# Altium PCB PCB_2_LAYER.PcbDoc (part 1 of 2)
Units mm, origin at the board's own origin, x right, y up, seen from the top; angles counter-clockwise.
Board outline 124.97 x 105.28 mm, 2 copper layers (Top Layer, Bottom Layer); 125 components, 113 nets, 460 pads, 197 vias.
Unrouted connection lines stored in the file: 136.
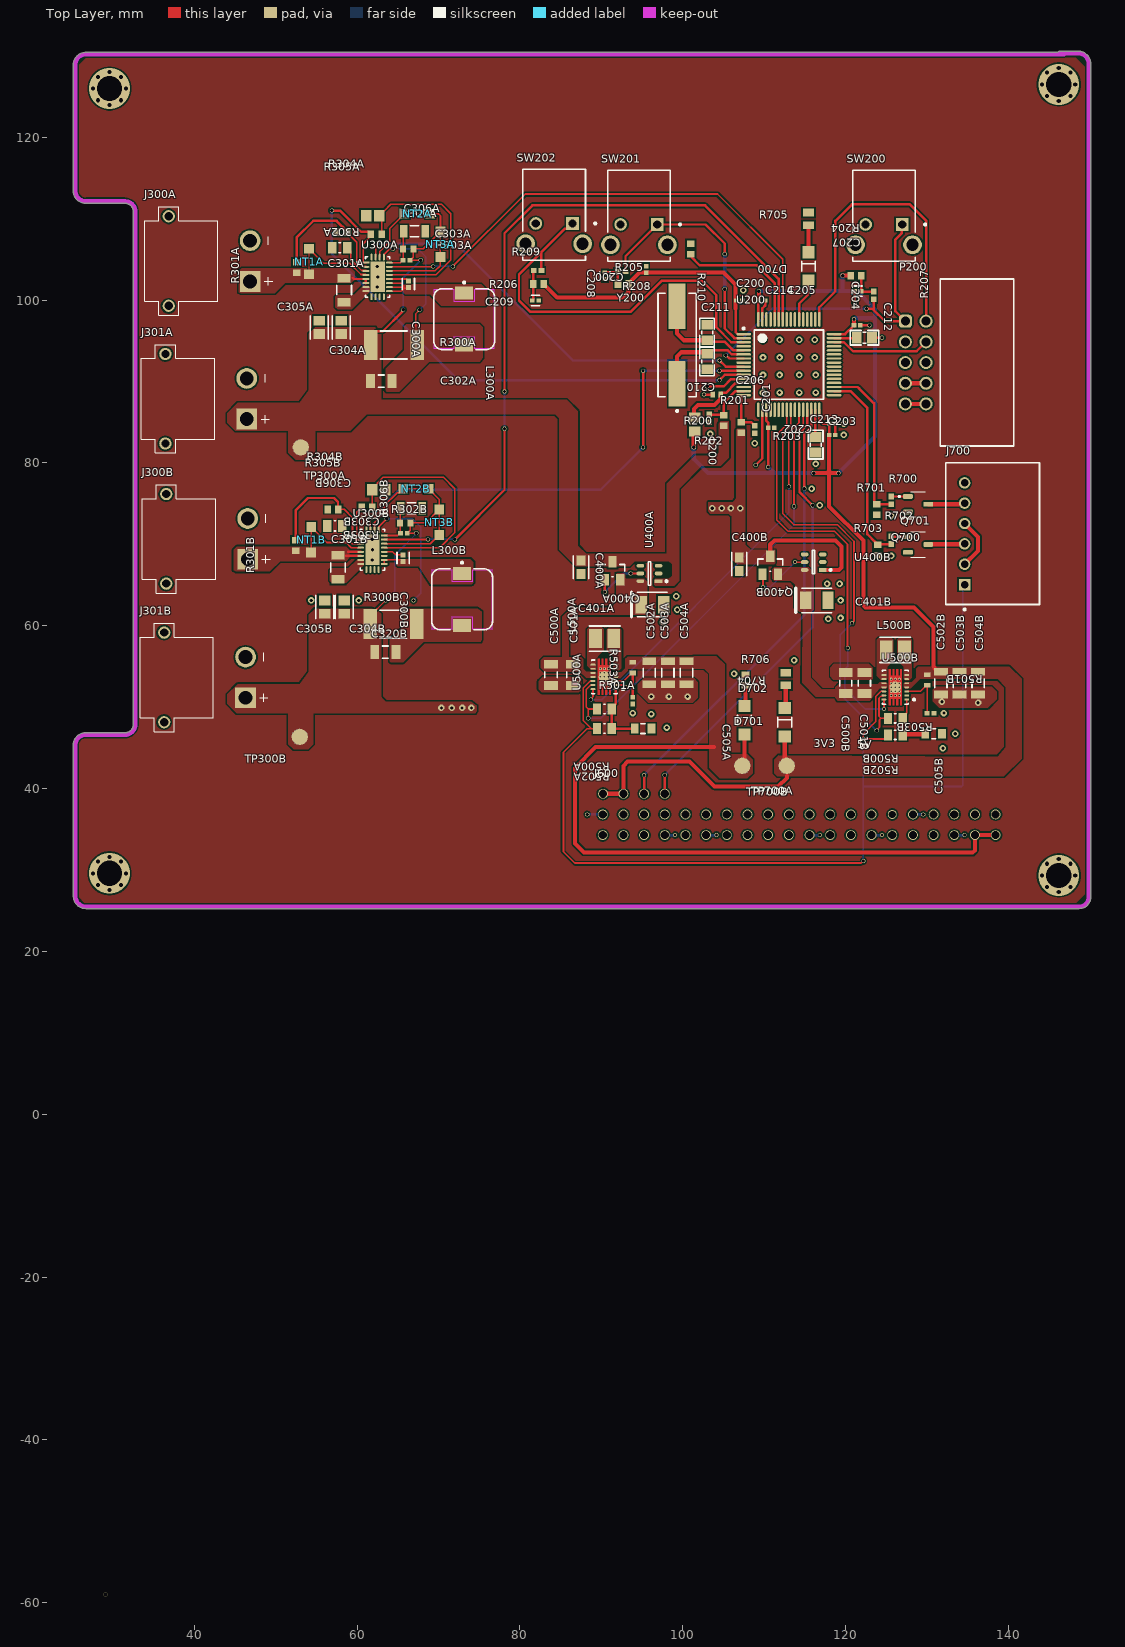
[diagram p0: Top Layer view]
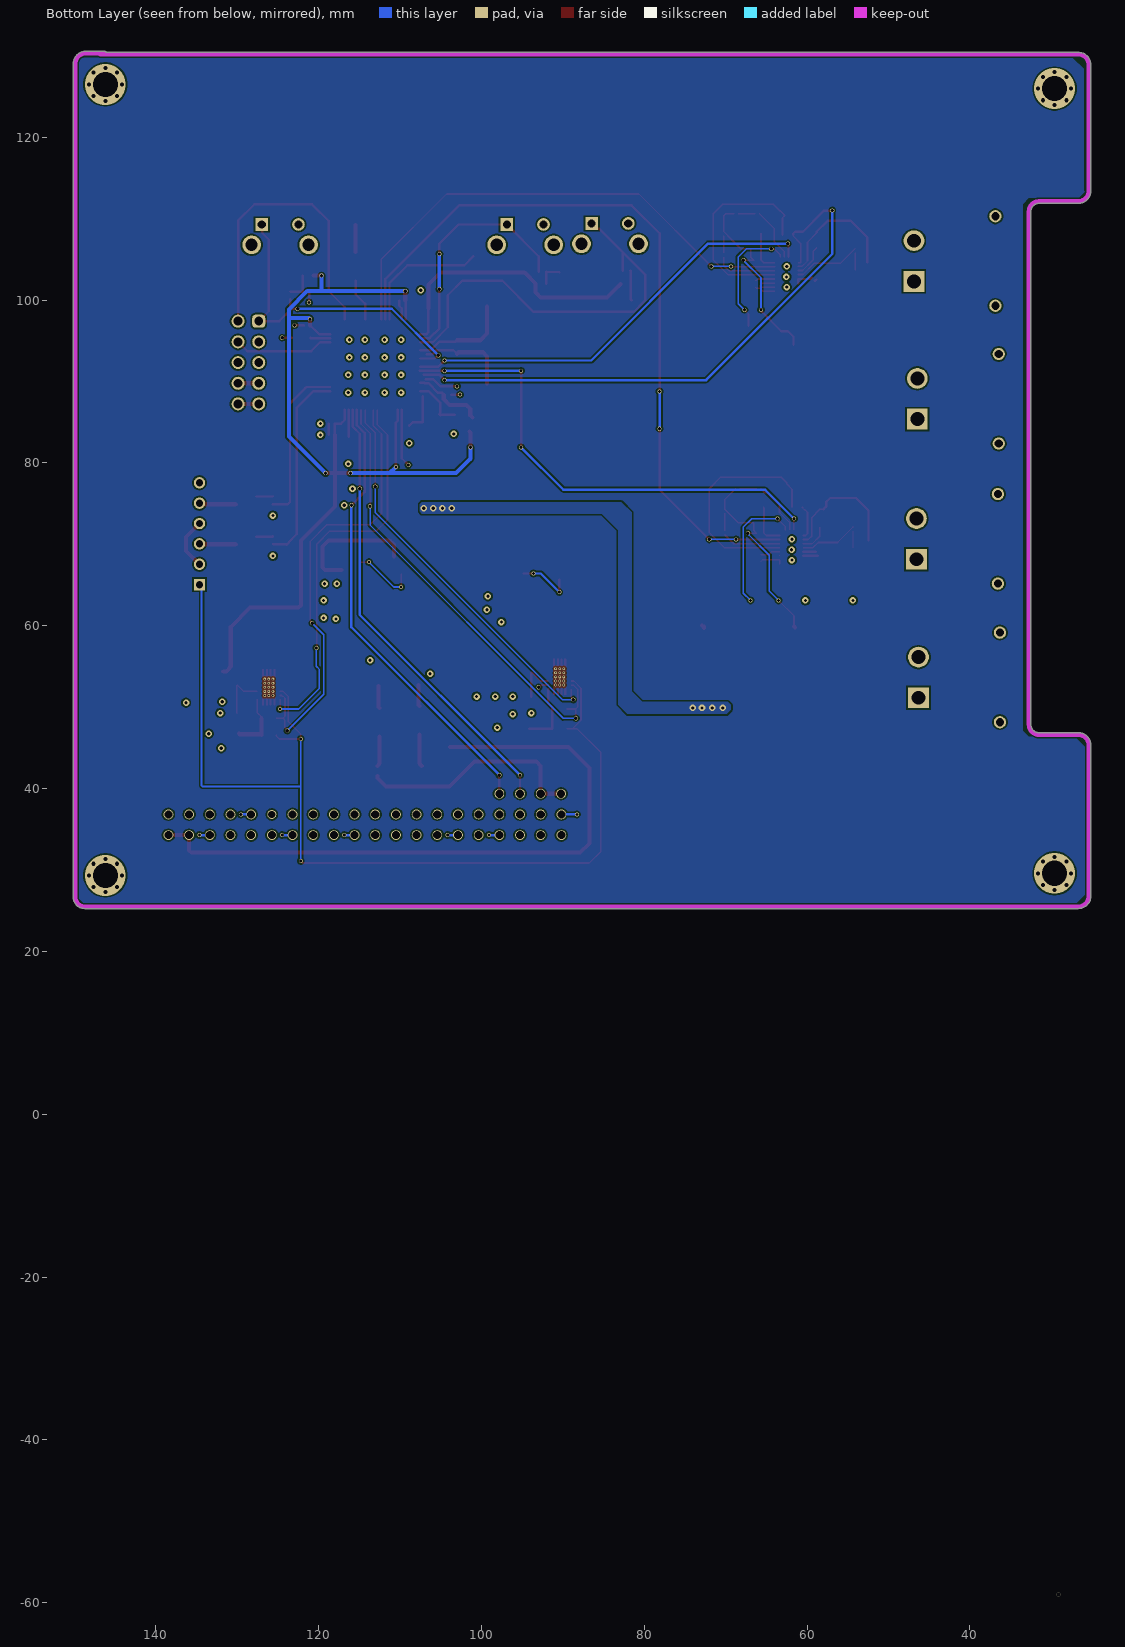
[diagram p1: Bottom Layer view, seen from below]
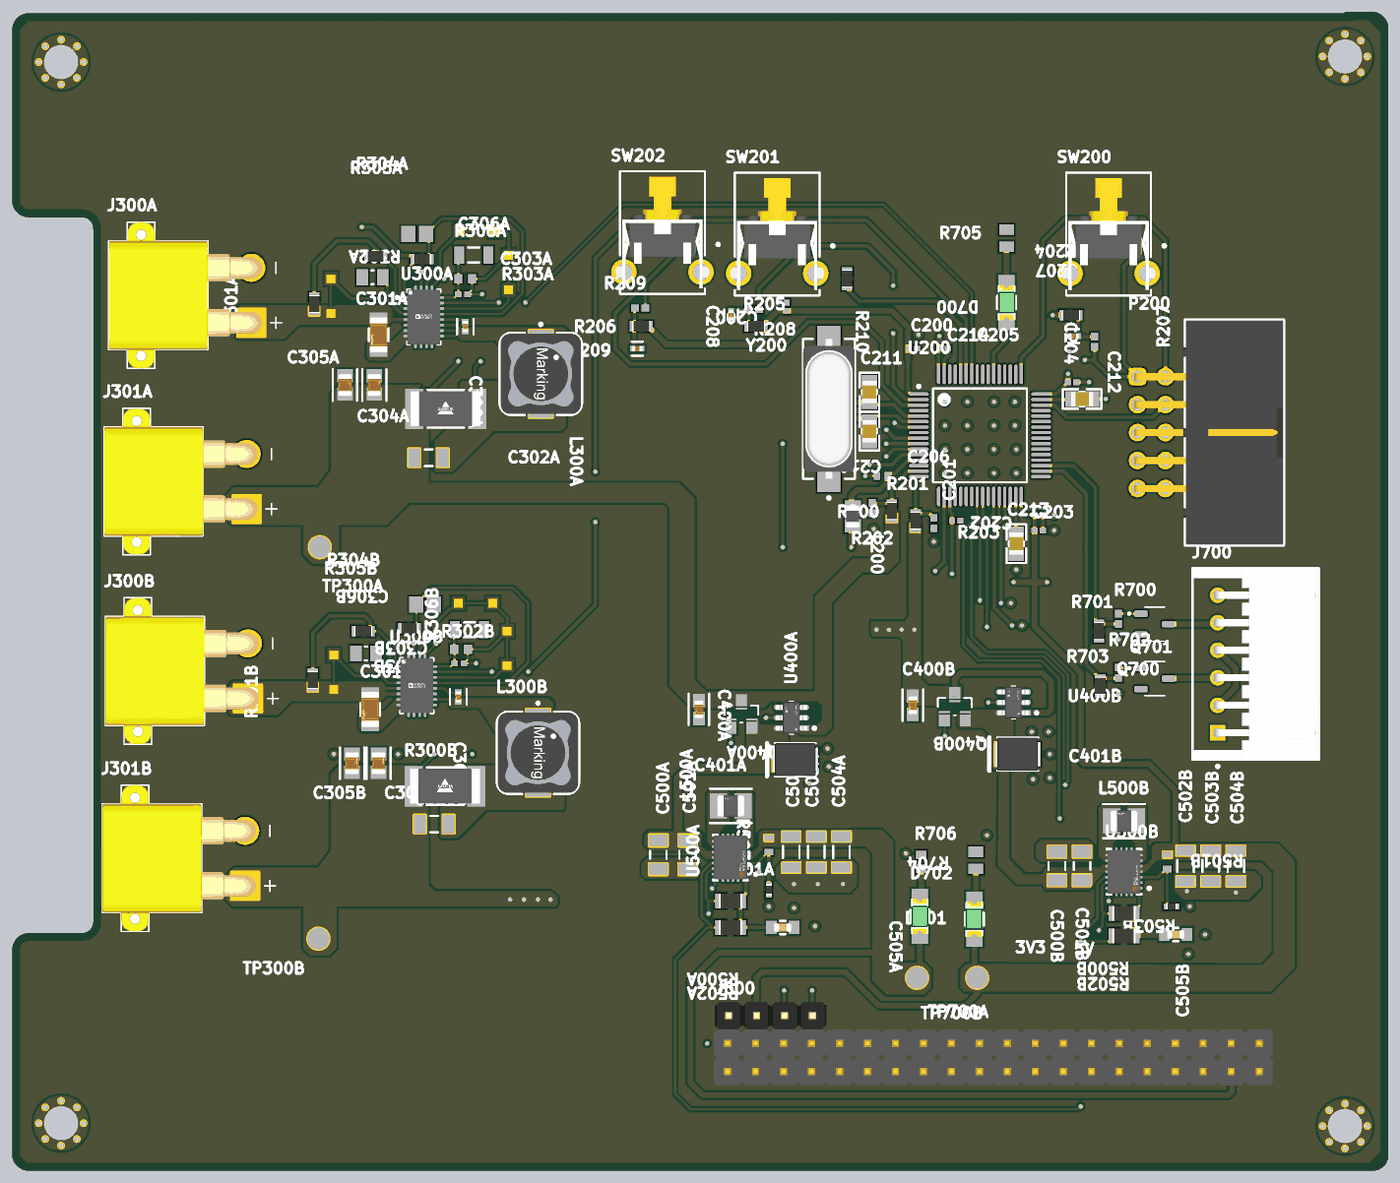
[diagram p3: 3D render of the assembled board from above, using the file's embedded part models]

## Layer stack, top to bottom
Top Solder: solder mask 0.0102, Solder Resist, Dk 3.5
Top Layer: signal copper 0.0356
Dielectric 1: core 0.32, FR-4, Dk 4.8
Bottom Layer: signal copper 0.0356
Bottom Solder: solder mask 0.0102, Solder Resist, Dk 3.5

## Board outline
26.668,25.273 cw(c26.67,26.797) 25.146,26.797 25.146,45.339 cw(c26.67,45.339) 26.67,46.863 31.496,46.863 ccw(c31.496,47.879) 32.512,47.879 32.512,110.871 ccw(c31.496,110.871) 31.496,111.887 26.67,111.887 cw(c26.67,113.411) 25.146,113.411 25.146,128.905 cw(c26.67,128.905) 26.67,130.429 146.084,130.429 cw(c146.304,130.302) 146.304,130.556 148.59,130.556 cw(c148.59,129.032) 150.114,129.032 150.114,26.67 cw(c148.717,26.67) 148.717,25.273 148.59,25.273

## Design rules (kind name [scope] priority, off if disabled: settings)
Clearance [All] p1: gap=0.2 ignorepadtopadclearanceinfootprint=FALSE
PolygonConnect PolygonConnect_23 [All vs IsNamedPolygon('V DIODE2')] p1: connectstyle=Direct reliefconductorwidth=0.254 reliefentries=4 polygonreliefangle="90 Angle" airgapwidth=0.254
PolygonConnect PolygonConnect_22 [All vs IsNamedPolygon('ISP B')] p2: connectstyle=Direct reliefconductorwidth=0.254 reliefentries=4 polygonreliefangle="90 Angle" airgapwidth=0.254
PolygonConnect PolygonConnect_21 [All vs IsNamedPolygon('VSOLARB')] p3: connectstyle=Direct reliefconductorwidth=0.254 reliefentries=4 polygonreliefangle="90 Angle" airgapwidth=0.254
PolygonConnect PolygonConnect_20 [All vs IsNamedPolygon('VSOLARB')] p4: connectstyle=Direct reliefconductorwidth=0.254 reliefentries=4 polygonreliefangle="90 Angle" airgapwidth=0.254
PolygonConnect PolygonConnect_19 [All vs IsNamedPolygon('ISPA')] p5: connectstyle=Direct reliefconductorwidth=0.254 reliefentries=4 polygonreliefangle="90 Angle" airgapwidth=0.254
PolygonConnect PolygonConnect_18 [All vs IsNamedPolygon('VBAT2')] p6: connectstyle=Direct reliefconductorwidth=0.254 reliefentries=4 polygonreliefangle="90 Angle" airgapwidth=0.254
PolygonConnect PolygonConnect_17 [All vs IsNamedPolygon('VBAT2')] p7: connectstyle=Direct reliefconductorwidth=0.254 reliefentries=4 polygonreliefangle="90 Angle" airgapwidth=0.254
PolygonConnect PolygonConnect_16 [All vs IsNamedPolygon('VBAT2')] p8: connectstyle=Direct reliefconductorwidth=0.254 reliefentries=4 polygonreliefangle="90 Angle" airgapwidth=0.254
PolygonConnect PolygonConnect_15 [All vs IsNamedPolygon('VBAT2')] p9: connectstyle=Direct reliefconductorwidth=0.254 reliefentries=4 polygonreliefangle="90 Angle" airgapwidth=0.254
PolygonConnect PolygonConnect_14 [All vs IsNamedPolygon('VBAT1')] p10: connectstyle=Direct reliefconductorwidth=0.254 reliefentries=4 polygonreliefangle="90 Angle" airgapwidth=0.254
PolygonConnect PolygonConnect_13 [All vs IsNamedPolygon('5V')] p11: connectstyle=Direct reliefconductorwidth=0.254 reliefentries=4 polygonreliefangle="90 Angle" airgapwidth=0.254
PolygonConnect PolygonConnect_12 [All vs IsNamedPolygon('3.3V')] p12: connectstyle=Direct reliefconductorwidth=0.254 reliefentries=4 polygonreliefangle="90 Angle" airgapwidth=0.254
PolygonConnect PolygonConnect_11 [All vs IsNamedPolygon('ISP B')] p13: connectstyle=Direct reliefconductorwidth=0.254 reliefentries=4 polygonreliefangle="90 Angle" airgapwidth=0.254
PolygonConnect PolygonConnect_10 [All vs IsNamedPolygon('ISPB')] p14: connectstyle=Direct reliefconductorwidth=0.254 reliefentries=4 polygonreliefangle="90 Angle" airgapwidth=0.254
PolygonConnect PolygonConnect_9 [All vs IsNamedPolygon('V DIODE1')] p15: connectstyle=Direct reliefconductorwidth=0.254 reliefentries=4 polygonreliefangle="90 Angle" airgapwidth=0.254
PolygonConnect PolygonConnect_8 [All vs IsNamedPolygon('VBAT1')] p16: connectstyle=Direct reliefconductorwidth=0.254 reliefentries=4 polygonreliefangle="90 Angle" airgapwidth=0.254
PolygonConnect PolygonConnect_7 [All vs IsNamedPolygon('VBAT1')] p17: connectstyle=Direct reliefconductorwidth=0.254 reliefentries=4 polygonreliefangle="90 Angle" airgapwidth=0.254
PolygonConnect PolygonConnect_6 [All vs IsNamedPolygon('VBATA')] p18: connectstyle=Direct reliefconductorwidth=0.254 reliefentries=4 polygonreliefangle="90 Angle" airgapwidth=0.254
PolygonConnect PolygonConnect_5 [All vs IsNamedPolygon('SW')] p19: connectstyle=Direct reliefconductorwidth=0.254 reliefentries=4 polygonreliefangle="90 Angle" airgapwidth=0.254
PolygonConnect PolygonConnect_4 [All vs IsNamedPolygon('VSOLAR')] p20: connectstyle=Direct reliefconductorwidth=0.254 reliefentries=4 polygonreliefangle="90 Angle" airgapwidth=0.254
PolygonConnect PolygonConnect_3 [All vs IsNamedPolygon('PGND')] p21: connectstyle=Direct reliefconductorwidth=0.254 reliefentries=4 polygonreliefangle="90 Angle" airgapwidth=0.254
PolygonConnect PolygonConnect_2 [All vs IsNamedPolygon('GND')] p22: connectstyle=Direct reliefconductorwidth=0.254 reliefentries=4 polygonreliefangle="90 Angle" airgapwidth=0.254
PolygonConnect PolygonConnect_1 [All vs IsNamedPolygon('GND')] p23: connectstyle=Direct reliefconductorwidth=0.254 reliefentries=4 polygonreliefangle="90 Angle" airgapwidth=0.254
PolygonConnect [All] p24: connectstyle=Relief reliefconductorwidth=0.254 reliefentries=4 polygonreliefangle="90 Angle" airgapwidth=0.254
RoomDefinition IDEAL_DIODE_1 [InComponentClass('IDEAL_DIODE_1')] p1: confinementstyle=ConfineIn formatcopy=TRUE lockcomponents=FALSE outline 83.185,59.436 102.616,59.436 102.616,78.182 83.185,78.182
RoomDefinition Buck-Bost_2 [InComponentClass('Buck-Bost_2')] p2: confinementstyle=ConfineIn formatcopy=TRUE lockcomponents=FALSE outline 117.729,43.561 135.382,43.561 135.382,59.436 117.729,59.436
RoutingVias [All] p1: holewidth=0.4 width=0.5 viastyle="Through Hole" minholewidth=0.4 minwidth=0.5 maxholewidth=0.4 maxwidth=0.5
SolderMaskExpansion [All] p1: expansion=0.102 istentingtop=FALSE
Width [All] p1: maxlimit=0.5 minlimit=0.2 preferedwidth=0.3 minimp=50.000000 maximp=50.000000 favimp=50.000000
30 further rules are at their usual default settings.

## Classes and differential pairs
component class MPPT_2: C300B C301B C303B C304B C305B C306B C320B J300B J301B L300B NT1B NT2B NT3B R300B R301B R302B R303B R304B R305B R306B TP300B U300B
component class MPPT_1: C300A C301A C302A C303A C304A C305A C306A J300A J301A L300A NT1A NT3A R300A R301A R302A R303A R304A R305A R306A TP300A U300A
component class MICROCONTROLER: C200 C201 C202 C203 C204 C205 C206 C207 C208 C209 C210 C211 C212 C213 L200 P200 R200 R201 R202 R203 R204 R205 R206 R207 R208 R209 R210 SW200 SW201 SW202 U200 Y200
component class LED_CONNECTOR: D700 D701 D702 J700 Q700 Q701 R700 R701 R702 R703 R704 R705 R706 TP700A TP700B
component class IDEAL_DIODE_2: C400B C401B Q400B U400B
component class IDEAL_DIODE_1: C400A Q400A U400A
component class Buck-Bost_2: C500B C501B C502B C503B C504B C505B L500B R500B R501B R502B R503B U500B
component class Buck-Boost_1: C500A C501A C502A C503A C504A C505A L500A R500A R501A R502A R503A U500A
component class Board_Connect: J600

## Components (designator, comment, footprint, x,y, rotation, side; value= is the part's Value field where it differs from the comment)
C200 "4u7" CAPC1005X55X30LL05T10 95.504,103.76 r270 top
C201 "100n" CAPC1005X55X30LL05T10 110.871,84.328 r180 top
C202 "100n" CAPC1005X55X30LL05T10 118.364,84.836 r180 top
C203 "100n" CAPC1005X55X30LL05T10 118.364,83.439 r180 top
C204 "100n" CAPC1005X55X30LL05T10 121.412,96.901 r180 top
C205 "100n" CAPC1005X55X30LL05T10 109.728,99.949 r180 top
C206 "1u" CAPC1005X70N 104.163,88.392 r0 top
C207 "100n" FP-C0402-BB-MFG 121.539,101.092 r180 top value="0.10 μF"
C208 "100n" FP-C0402-BB-MFG 90.424,102.997 r270 top value="0.10 μF"
C209 "100n" FP-C0402-BB-MFG 81.915,99.949 r0 top value="0.10 μF"
C210 "20pF" "tu 0805" 102.997,92.456 r270 top
C211 "20pF" "tu 0805" 102.997,96.012 r90 top
C212 "2u2" "tu 0805" 122.301,95.377 r0 top
C213 "2u2" "tu 0805" 116.335,82.239 r270 top
C214 "100n" CAPC1005X55X30LL05T10 106.934,99.949 r180 top (schematic designator C205)
C300A "100n" FP-0402B104K500CT-IPC_C 66.294,101.962 r270 top
C300B "100n" FP-0402B104K500CT-IPC_C 65.659,68.307 r270 top
C301A "10u" FP-GRM31C-0_2-e0_3_0_8-MFG 58.42,101.219 r270 top
C301B "10u" FP-GRM31C-0_2-e0_3_0_8-MFG 57.658,67.183 r270 top
C302A "1u" CAPC3216X110X50LL20T25 62.962,90.043 r180 top
C303A "10p" CAPC1608X90X35LL10T15 66.284,106.299 r180 top
C303B "10p" CAPC1608X90X35LL10T15 65.913,72.644 r180 top
C304A "22u" FP-GRM21B-0_15-IPC_B 58.039,96.647 r90 top
C304B "22u" FP-GRM21B-0_15-IPC_B 58.42,62.293 r90 top
C305A "22u" FP-GRM21B-0_15-IPC_B 55.372,96.647 r90 top
C305B "22u" FP-GRM21B-0_15-IPC_B 56.007,62.293 r90 top
C306A "1u" CAPC2013X140X50NL20T25 61.938,110.363 r0 top
C306B "1u" CAPC2013X140X50NL20T25 62.649,76.708 r180 top
C320B "1u" CAPC3216X110X50LL20T25 63.47,56.769 r180 top
C400A "100n" FP-0603-L_1_6_0_15-W_0_81-IPC_A 87.503,67.183 r270 top
C400B "100n" FP-0603-L_1_6_0_15-W_0_81-IPC_A 106.934,67.564 r270 top
C401A "22u" KEMT-T491-B_L 96.266,62.611 r0 top
C401B "22u" KEMT-T491-B_L 116.459,63.119 r0 top
C500A "10u" CAPC3216X180X50LL20T25 83.82,53.975 r90 top
C500B "10u" CAPC3216X180X50LL20T25 120.015,52.959 r270 top
C501A "10u" CAPC3216X180X50LL20T25 86.487,53.975 r90 top
C501B "10u" CAPC3216X180X50LL20T25 122.301,52.959 r270 top
C502A "22u" CAPC1206(3216)190_L 95.885,54.229 r90 top value=22uF
C502B "22u" CAPC1206(3216)190_L 131.699,52.959 r90 top value=22uF
C503A "22u" CAPC1206(3216)190_L 98.171,54.229 r90 top value=22uF
C503B "22u" CAPC1206(3216)190_L 133.985,52.959 r90 top value=22uF
C504A "22u" CAPC1206(3216)190_L 100.457,54.229 r90 top value=22uF
C504B "22u" CAPC1206(3216)190_L 136.271,52.959 r90 top value=22uF
C505A "100n" FP-CGA3E-0_3-0_1-IPC_A 95.123,47.371 r0 top
C505B "100n" FP-CGA3E-0_3-0_1-IPC_A 130.81,46.736 r0 top
D700 "LED" FP-HSMG-C150-MFG 115.443,104.14 r270 top
D701 "LED" FP-HSMG-C150-MFG 112.522,48.133 r270 top
D702 "LED" FP-HSMG-C150-MFG 107.569,48.387 r270 top
J300A "XT30PW-M" AMASS_XT30PW-M 36.863,104.799 r90 top
J300B "XT30PW-M" AMASS_XT30PW-M 36.561,70.675 r90 top
J301A "XT30PW-M" AMASS_XT30PW-M 36.449,87.884 r90 top
J301B "XT30PW-M" AMASS_XT30PW-M 36.307,53.657 r90 top
J600 "RPI GPIO Cconnector + 4 Cubesat pins" "RPI GPIO" 138.43,36.83 r270 top
J700 "S6B-XH-A (LF)(SN)" FP-S6B-XH-A_LF_SN-MFG 138.07,71.307 r270 top
L200 "4u7" INDC2012X100N 101.473,84.709 r90 top
L300A "10u" WE-PD_7345 73.152,97.663 r270 top
L300B "10u" WE-PD_7345 72.898,63.246 r270 top
L500A "1u5" FP-DFE252010C-IPC_A 90.407,58.42 r180 top
L500B "1u5" FP-DFE252010C-IPC_A 126.111,57.038 r180 top
NT1A "Nettie" NET_TIE 54.086,104.719 r90 top
NT1B "Nettie" NET_TIE 54.34,70.556 r90 top
NT2A "Nettie" NET_TIE 67.381,110.633 r0 top
NT2B "Nettie" NET_TIE 67.21,76.845 r0 top
NT3A "Nettie" NET_TIE 70.221,106.834 r90 top
NT3B "Nettie" NET_TIE 70.088,72.715 r90 top
P200 "61201021721" 61201021721 136.144,92.329 r90 top
Q400A "TPCA8120" FP-527AG-MFG 91.374,66.759 r90 top
Q400B "TPCA8120" FP-527AG-MFG 110.744,67.437 r90 top
Q700 "AO3400A" SOT95P280X125-3N 128.905,74.93 r0 top
Q701 "AO3400A" SOT95P280X125-3N 128.905,69.977 r0 top
R200 "10k" RESC1609X50X30NL8T20 105.029,85.202 r270 top
R201 "10k" RESC1609X50X30NL8T20 107.188,84.328 r270 top
R202 "33k" RESC1005X40X25ML05T10 103.251,85.471 r90 top
R203 "33k" RESC1005X40X25ML05T10 108.839,84.107 r90 top
R204 "10k" RESC1609X50X30NL8T20 121.285,102.997 r180 top
R205 "10k" RESC1609X50X30NL8T20 92.695,101.981 r0 top
R206 "10k" RESC1609X50X30NL8T20 82.281,101.981 r0 top
R207 "100R" RESC1005X40X25ML05T10 123.444,100.584 r270 top
R208 "100R" RESC1005X40X25ML05T10 92.489,103.505 r0 top
R209 "100R" RESC1005X40X25ML05T10 82.169,103.632 r0 top
R210 "10k" RESC1609X50X30NL8T20 100.965,106.299 r270 top
R300A "0.025R" FP-WSL2512-0_762-MFG 64.516,94.488 r180 top
R300B "0.025R" FP-WSL2512-0_762-MFG 64.455,60.198 r180 top
R301A "10k" RESC1609X50X30NL8T20 52.578,103.998 r90 top
R301B "10k" RESC1609X50X30NL8T20 52.451,69.85 r90 top
R302A "10k" RESC1609X50X30NL8T20 62.357,108.077 r0 top
R302B "10k" RESC1609X50X30NL8T20 61.199,74.549 r0 top
R303A "1M 1%" RESC1005X40X25NL05T10 66.084,104.902 r0 top
R303B "1M 1%" RESC1005X40X25NL05T10 65.742,71.374 r0 top
R304A "10k" RESC1609X50X30NL8T20 58.151,108.331 r180 top
R304B "10k" RESC1609X50X30NL8T20 57.023,74.295 r180 top
R305A "60k4" RESC2013X50X30NL20T20 57.876,106.426 r0 top
R305B "60k4" RESC2013X50X30NL20T20 57.277,72.263 r0 top
R306A "309k" RESC3216X70X50LL05T20 67.056,108.458 r180 top
R306B "309k" RESC3216X70X50LL05T20 66.675,74.422 r180 top
R500A "10k" RESC2013X60X35NL10T20 90.38,49.784 r0 top
R500B "10k" RESC2013X60X35NL10T20 126.111,48.641 r0 top
R501A "1M 1%" RESC1608X55X25LL10T15 93.853,54.864 r90 top
R501B "1M 1%" RESC1608X55X25LL10T15 130.048,53.34 r90 top
R502A "10k" RESC2013X60X35NL10T20 90.38,47.371 r0 top
R502B "10k" RESC2013X60X35NL10T20 126.111,46.609 r0 top
R503A "180K" RESC1005X40X25NL05T10 93.853,50.8 r90 top
R503B "180K" RESC1005X40X25NL05T10 130.429,49.276 r180 top
R700 "100R" RESC1005X40X25ML05T10 125.603,75.405 r90 top
R701 "100R" RESC1609X50X30NL8T20 123.825,74.295 r90 top
R702 "100R" RESC1005X40X25ML05T10 125.603,70.518 r90 top
R703 "100R" RESC1609X50X30NL8T20 123.952,69.327 r90 top
R704 "1k" RESC2013X70X40LL20T20 112.649,53.467 r270 top
R705 "1k" RESC2013X70X40LL20T20 115.443,109.982 r270 top
R706 "2k2" RESC1609X50X30NL10T20 107.696,53.33 r270 top
SW200 "B3F-3152" FP-B3F-3152-MFG 124.714,110.363 r180 top
SW201 "B3F-3152" FP-B3F-3152-MFG 94.615,110.363 r180 top
SW202 "B3F-3152" FP-B3F-3152-MFG 84.201,110.49 r180 top
TP300A "Testpoint" Testpoint 53.086,81.915 r90 top
TP300B "Testpoint" Testpoint 52.959,46.355 r90 top
TP700A "Testpoint" Testpoint 112.776,42.799 r90 top
TP700B "Testpoint" Testpoint 107.315,42.799 r90 top
U200 "STM32F405RGT6" STM-LQFP64_N 113.03,92.076 r0 top
U300A "LT8611EUDD" FP-UDD-24-05-08-1833-IPC_B 62.528,102.842 r0 top
U300B "LT8611EUDD" FP-UDD-24-05-08-1833-IPC_B 61.893,69.338 r0 top
U400A "LTC4412ES6" FP-S6-6-05-08-1636-IPC_C 95.913,66.421 r180 top
U400B "LTC4412ES6" FP-S6-6-05-08-1636-IPC_C 116.078,67.818 r180 top
U500A "TPS63020DSJT" FP-DSJ0014A-MFG 90.377,53.721 r180 top
U500B "TPS63020DSJT" FP-DSJ0014A-MFG 126.108,52.443 r180 top
Y200 "8MHz" ABRA-ABLS-14.7456MHZ-B2-T_V 99.314,94.488 r90 top

## Footprints (in the part's own frame and the unit in brackets; to place one, negate y for a bottom-side part, rotate by r counter-clockwise, add the part's x,y. Pads: shape width x height; smd on the part's side, far side on the other; paste and mask are expansions set on the pad)
61201021721 [mm] "10 pins, right angled, gold plating"
  rrect50% 1.6x1.6 hole 1.1: 1(5.08,8.805)
  round 1.6 hole 1.1: 2(5.08,6.265) 3(2.54,8.805) 4(2.54,6.265) 5(0,8.805) 6(0,6.265) 7(-2.54,8.805) 8(-2.54,6.265) 9(-5.08,8.805) 10(-5.08,6.265)
  silkscreen extent -10.25,-4.5 10.25,4.5, body extent -10.18,-4.42 10.18,9.13, height 9.23
ABRA-ABLS-14.7456MHZ-B2-T_V [mm] "SMD, 2-Leads, Body 11.4x4.7mm"
  rect 5.6x2.1 smd: 1(-4.75,0) 2(4.75,0)
  silkscreen extent -8.22,-2.35 6.35,2.35, body extent -6.35,-2.35 6.35,2.35, height 4.16
AMASS_XT30PW-M [mm]
  round 2.55 hole 1.7: N(2.5,-10)
  rect 2.55x2.55 / inner round 2.55 / far side rect 2.55x2.55 hole 1.7: P(-2.5,-10)
  round 1.508 hole 1: S1(5.5,0) S2(-5.5,0)
  silkscreen extent -6.65,-12.75 6.65,2.95, body extent -6.65,-11 6.65,2.95, height 5
CAPC1005X55X30LL05T10 [mm] "Chip Capacitor, 2-Leads, Body 1.00x0.50mm, IPC High Density"
  rect 0.56x0.52 smd: 1(-0.38,0) 2(0.38,0)
  body extent -0.53,-0.28 0.53,0.28, height 0.55
CAPC1005X70N [mm]
  rrect25% 0.56x0.73 smd: 1(-0.485,0) 2(0.485,0)
CAPC1206(3216)190_L [mm] "Chip Capacitor, Body 3.2x1.6mm, Height 1.9mm, IPC High Density"
  rect 0.95x1.7 smd: 1(-1.4,0) 2(1.4,0)
  silkscreen extent -0.55,-0.75 0.55,0.75, body extent -1.7,-0.9 1.7,0.9, height 1.9
CAPC1608X90X35LL10T15 [mm] "Chip Capacitor, 2-Leads, Body 1.60x0.80mm, IPC High Density"
  rect 0.75x0.85 smd: 1(-0.625,0) 2(0.625,0)
  body extent -0.85,-0.45 0.85,0.45, height 0.9
CAPC2013X140X50NL20T25 [mm] "Chip Capacitor, 2-Leads, Body 2.00x1.25mm, IPC Medium Density"
  rect 1.3x1.45 smd: 1(-0.8,0) 2(0.8,0)
  body extent -1.1,-0.72 1.1,0.72, height 1.4
CAPC3216X110X50LL20T25 [mm] "Chip Capacitor, 2-Leads, Body 3.20x1.60mm, IPC High Density"
  rect 1.1x1.7 smd: 1(-1.3,0) 2(1.3,0)
  silkscreen extent -0.35,-0.75 0.35,0.75, body extent -1.7,-0.9 1.7,0.9, height 1.1
CAPC3216X180X50LL20T25 [mm] "Chip Capacitor, 2-Leads, Body 3.20x1.60mm, IPC High Density"
  rect 1.1x1.7 smd: 1(-1.3,0) 2(1.3,0)
  silkscreen extent -0.35,-0.75 0.35,0.75, body extent -1.7,-0.9 1.7,0.9, height 1.8
FP-0402B104K500CT-IPC_C [mm]
  rect 0.606x0.606 smd paste+0 mask+0: 1(-0.4,0) 2(0.4,0)
  silkscreen extent -0.7,-0.75 0.7,0.75, body extent -0.8,-0.45 0.8,0.45, height 0.25
FP-527AG-MFG [mm]
  rect 1.4x1 smd paste+0 mask+0: 1(-1.1,0.95) 2(-1.1,-0.95) 3(1.1,0)
  silkscreen extent -0.76,-1.52 0.76,1.52, body extent -1.9,-1.62 1.9,1.62, height 0.25
FP-0603-L_1_6_0_15-W_0_81-IPC_A [mil]
  rect 47.5x42.06 smd paste+0 mask+0: 1(-32.51,0) 2(32.51,0)
  silkscreen extent -56,-37 56,37, body extent -76,-41 76,41, height 10
FP-B3F-3152-MFG [mm]
  rect 1.55x1.55 hole 1 paste-1000 mask+0: 1(-2.25,1.075)
  round 1.55 hole 1 paste-1000 mask+0: 2(2.25,1.075)
  round 2.3 hole 1.5 paste-1000 mask+0: 3(-3.5,3.575) 4(3.5,3.575)
  silkscreen extent -5.18,-5.57 3.85,5.58, body extent -4.75,-5.68 4.75,5.68, height 0.25
FP-C0402-BB-MFG [mm]
  rect 0.52x0.52 smd paste+0 mask+0: 1(-0.4,0) 2(0.4,0)
  silkscreen extent -0.5,-0.63 0.5,0.64, body extent -0.8,-0.4 0.8,0.4, height 0.25
FP-CGA3E-0_3-0_1-IPC_A [mm]
  rect 0.956x1.206 smd paste+0 mask+0: 1(-1.025,0) 2(1.025,0)
  silkscreen extent -0.25,-0.6 0.25,0.6, body extent -2,-1.1 2,1.1, height 0.25
FP-DFE252010C-IPC_A [mm]
  rect 1.555x2.306 smd paste+0 mask+0: 1(-1.126,0) 2(1.126,0)
  silkscreen extent -1.9,-1.55 1.9,1.55, body extent -2.4,-1.65 2.4,1.65, height 0.25
FP-DSJ0014A-MFG [mm]
  rrect100% 0.6x0.24 smd paste+0 mask+0: 1(-1.4,1.5) 2(-1.4,1) 3(-1.4,0.5) 4(-1.4,0) 5(-1.4,-0.5) 6(-1.4,-1) 7(-1.4,-1.5) 8(1.4,-1.5) 9(1.4,-1) 10(1.4,-0.5) 11(1.4,0) 12(1.4,0.5) 13(1.4,1) 14(1.4,1.5)
  round 1.422 smd paste-1000 mask+0: 15(0,0)
  Top Layer region: -0.79,2.2 -0.59,2.2 -0.59,1.425 -0.33,1.425 -0.33,2.2 -0.13,2.2 -0.13,1.425 0.13,1.425 0.13,2.2 0.33,2.2 0.33,1.425 0.59,1.425 0.59,2.2 0.79,2.2 0.79,-2.2 0.59,-2.2 0.59,-1.425 0.33,-1.425 0.33,-2.2 0.13,-2.2 0.13,-1.425 -0.13,-1.425 -0.13,-2.2 -0.33,-2.2 -0.33,-1.425 -0.59,-1.425 -0.59,-2.2 -0.79,-2.2 -0.79,2.2
  silkscreen extent -2.42,-2.07 1.57,2.07, body extent -1.8,-2.3 1.8,2.3, height 0.25
FP-GRM21B-0_15-IPC_B [mm]
  rect 1.206x1.408 smd paste+0 mask+0: 1(-0.826,0) 2(0.826,0)
  silkscreen extent -1.43,-1.1 1.43,1.1, body extent -1.68,-0.95 1.68,0.95, height 0.25
FP-GRM31C-0_2-e0_3_0_8-MFG [mm]
  rect 1.05x1.6 smd paste+0 mask+0: 1(-1.475,0) 2(1.475,0)
  silkscreen extent -0.57,-0.9 0.58,0.9, body extent -2.1,-1 2.1,1, height 0.25
FP-HSMG-C150-MFG [mm]
  rect 1.5x1.5 smd paste+0 mask+0: 1(-1.75,0) 2(1.75,0)
  silkscreen extent -0.6,-0.85 0.6,0.85, body extent -2.6,-0.95 2.6,0.95, height 0.25
FP-S6-6-05-08-1636-IPC_C [mm]
  rect 0.94x0.486 smd paste+0 mask+0: 1(-1.115,0.95)
  rrect100% 0.94x0.486 smd paste+0 mask+0: 2(-1.115,0) 3(-1.115,-0.95) 4(1.115,-0.95) 5(1.115,0) 6(1.115,0.95)